# Altium PCB Carrier_Board.PcbDoc (part 2 of 2)
Units mm, origin at the board's own origin, x right, y up, seen from the top; angles counter-clockwise.
Board outline 80 x 90 mm, 2 copper layers (Top Layer, Bottom Layer); 131 components, 109 nets, 507 pads, 240 vias.
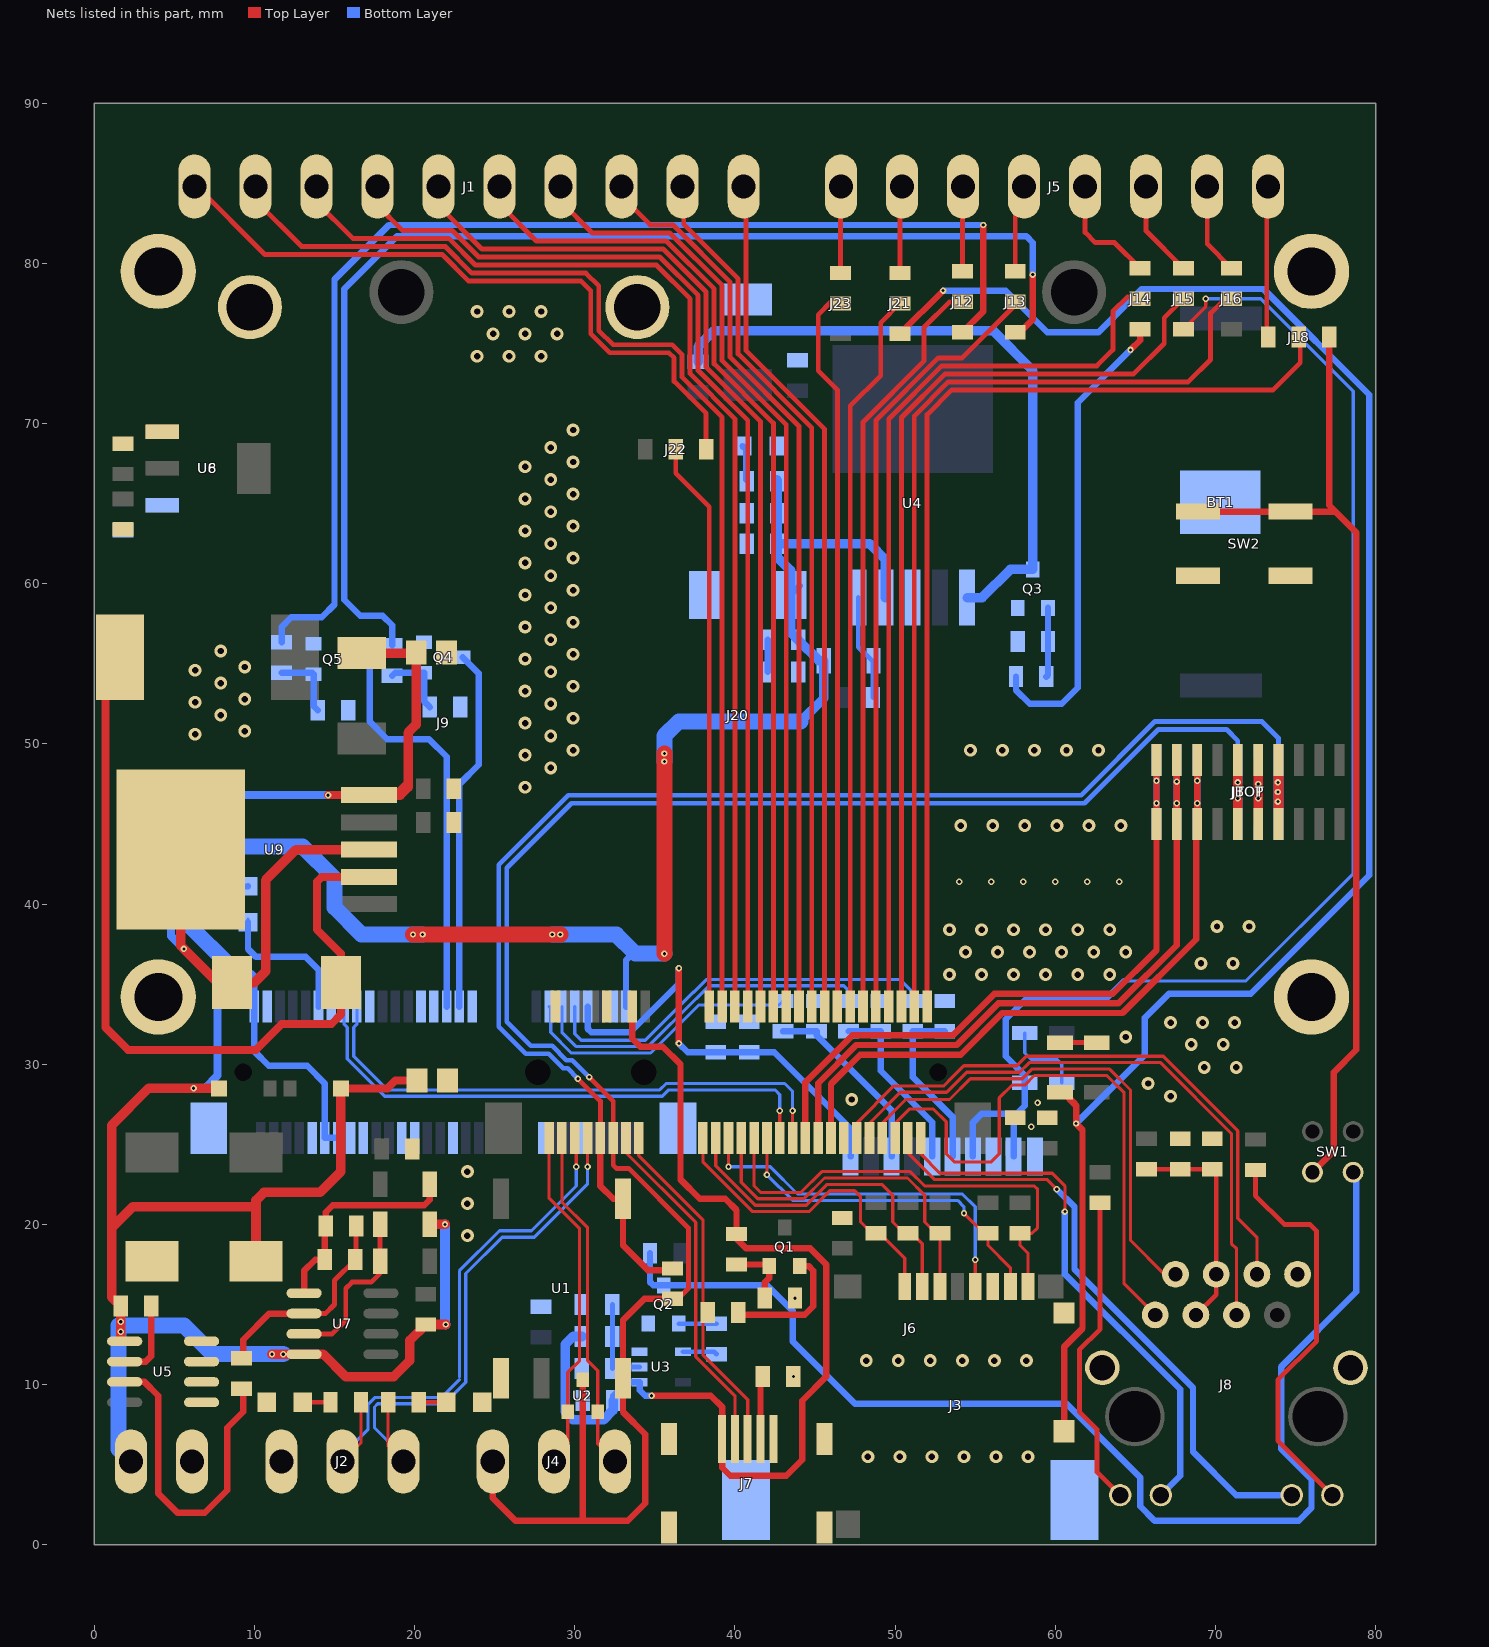
[diagram p2: the nets of this part, all layers, seen from the top]

## Via types
v1: diameter 0.8, hole 0.4, Top Layer to Bottom Layer, tented both sides, 137 vias
v2: diameter 0.4, hole 0.2, Top Layer to Bottom Layer, tented both sides, 102 vias
v3: diameter 0.4, hole 0.2, Top Layer to Bottom Layer, 1 vias

## Nets (pads, with @x,y where several pads share a name; then routed paths per layer and width w, separated by ;. In a path a pad name is that pad's centre, name@x,y a point inside that pad or via, vN(x,y) a via of type N, cw(c..) or ccw(c..) an arc to the next point about the centre after c; other vN are vias at no path point) (continued)
ETH0_ACTLED: J8.D6 J20.49 | length 38.4
  Top Layer w0.2: J20.49@50.8,25.4 50.8,24.476 52.476,22.8 59.5,22.8 v2(60.1,22.2)
  Bottom Layer w0.4: v2(60.1,22.2) 61.2,21.1 61.2,17.2 68.6,9.8 68.6,5.8 71.302,3.098 J8.D6@74.763,3.098
ETH0_LINKLED: J8.D5 J20.51 | length 33.6
  Top Layer w0.2: J20.51@51.6,25.4 51.6,24.4 52.8,23.2 59.807,23.2 60.6,22.407 v2(60.6,20.8)
  Bottom Layer w0.4: v2(60.6,20.8) 60.6,16.9 67.8,9.7 67.8,4.305 J8.D5@66.593,3.098
ETHER0RD_N: J8.2 J20.45 | length 31.4
  Top Layer w0.2: J20.45@49.2,25.4 49.2,26.324 50.676,27.8 53.4,27.8 54.7,29.1 57.934,29.1 58.534,29.7 63.39,29.7 64.7,28.39 64.7,19 66.81,16.89 J8.2@67.51,16.89
ETHER0RD_P: J8.1 J20.47 | length 37.5
  Top Layer w0.2: J20.47@50,25.4 50,26.324 50.876,27.2 52.4,27.2 53.2,26.4 53.2,24.4 53.7,23.9 56,23.9 56.5,24.4 56.5,27.9 57.3,28.7 58.1,28.7 58.7,29.3 63.224,29.3 64.3,28.224 64.3,16.29 J8.1@66.24,14.35
ETHER0TD_N: J8.5 J20.43 | length 38.4
  Top Layer w0.2: J20.43@48.4,25.4 48.4,26.324 50.326,28.25 53.218,28.25 54.468,29.5 57.769,29.5 58.369,30.1 66.574,30.1 71,25.674 71,18.8 71.32,18.48 J8.5@71.32,14.35
ETHER0TD_P: J8.6 J20.41 | length 37.8
  Top Layer w0.2: J20.41@47.6,25.4 47.6,26.324 49.926,28.65 53.052,28.65 53.55,29.148 53.55,29.15 54.3,29.9 57.6,29.9 58.2,30.5 66.74,30.5 71.4,25.84 71.4,20.39 72.59,19.2 J8.6@72.59,16.89
GND: BT1.3 C1.1 C2.1 C3.2 C5.2 C6.2 C7.1 C8.1 C9.1 C10.2 C11.2 C12.1 C13.1 C14.1 C15.2 C16.2 C17.2 C21.1 C23.1 C25.1 C26.1 C28.1 C29.1 D1.1 D6.1 D7.1 FB1.1 FB3.2 FB4.2 J2.3 J3.6 J3.9 J6.8 J6.23 J6.32 J6.33 J7.5 J7.S1 J7.S2 J7.S3 J7.S4 J8.8 J8.SHLD1 J8.SHLD2 J9.4 J9.9 J9.15 J9.18 J9.21 J9.26 J9.27 J9.29 J9.34 J9.35 J9.37 J9.40 J9.43 J9.50 J9.MP1 J9.MP2 J9.MP3 J9.MP4 J20.2 J20.10 J20.39 JBOT.5 JBOT.15 JTOP.5 JTOP.15 pad.3 Q2.2 Q3.2 Q4.2 Q5.2 R12.2 R14.2 R19.2 R20.2 R27.1 R30.1 R36.1 R38.1 SW2.1 SW2.2 U1.1 U3.3 U4.3 U6.1 U8.1 | length 8
  Top Layer w0.6: JTOP.15@72.67,45 v2(72.67,46.6) v2(72.67,47.5) JTOP.5@72.67,49
  Bottom Layer w0.3: JBOT.5@72.67,45 v2(72.67,46.6) v2(72.67,47.5) JBOT.15@72.67,49
  other v1: 48.3,5.5 50.3,5.5 52.3,5.5 54.3,5.5 56.3,5.5 58.3,5.5 48.2,11.5 50.2,11.5 52.2,11.5 54.2,11.5 56.2,11.5 58.2,11.5 23.3,19.3 23.3,21.3 23.3,23.3 47.3,27.8 67.2,28 65.8,28.8 69.3,29.8 71.3,29.8 68.486,31.242 70.486,31.242 64.4,31.7 67.2,32.6 69.2,32.6 71.2,32.6 53.4,35.6 55.4,35.6 57.4,35.6 59.4,35.6 61.4,35.6 63.4,35.6 69.1,36.3 71.1,36.3 54.4,37 56.4,37 58.4,37 60.4,37 62.4,37 64.4,37 53.4,38.4 55.4,38.4 57.4,38.4 59.4,38.4 61.4,38.4 63.4,38.4 70.1,38.6 72.1,38.6 54.1,44.9 56.1,44.9 58.1,44.9 60.1,44.9 62.1,44.9 64.1,44.9 26.9,47.3 28.5,48.5 26.9,49.3 29.9,49.6 54.7,49.6 56.7,49.6 58.7,49.6 60.7,49.6 62.7,49.6 28.5,50.5 6.3,50.6 9.4,50.8 26.9,51.3 29.9,51.6 7.9,51.8 28.5,52.5 6.3,52.6 9.4,52.8 26.9,53.3 29.9,53.6 7.9,53.8 28.5,54.5 6.3,54.6 9.4,54.8 26.9,55.3 29.9,55.6 7.9,55.8 28.5,56.5 26.9,57.3 29.9,57.6 28.5,58.5 26.9,59.3 29.9,59.6 28.5,60.5 26.9,61.3 29.9,61.6 28.5,62.5 26.9,63.3 29.9,63.6 28.5,64.5 26.9,65.3 29.9,65.6 28.5,66.5 26.9,67.3 29.9,67.6 28.5,68.5 29.9,69.6 23.9,74.2 25.9,74.2 27.9,74.2 24.9,75.6 26.9,75.6 28.9,75.6 23.9,77 25.9,77 27.9,77
  other v2: 43.662,10.511 43.752,15.392 58.5,26.1 58.9,27.6 54,41.4 56,41.4 58,41.4 60,41.4 62,41.4 64,41.4
GND0: C4.2 J4.3 J20.11 JBOT.6 JBOT.16 JTOP.6 JTOP.16 U1.4 U2.3 | length 128.8
  Top Layer w0.3: v2(30.9,29.2) 32.4,27.7 J20.11@32.4,25.4 32.4,23.7 32.6,23.5 33.375,23.5 37.1,19.775 37.1,16 36.35,15.25 36.25,15.35 C4.2@36.1,15.35
  Top Layer w0.4: J4.3@24.88,5.2 24.88,2.92 26.3,1.5 30.6,1.5 ; U2.3@30.5,10.303 30.5,1.6 30.6,1.5 ; C4.2@36.1,15.35 34.35,15.35 33.01,14.01 U1.4@33.01,10.4 33.01,8.29 34.4,6.9 34.4,2.6 33.3,1.5 30.6,1.5
  Top Layer w0.6: JTOP.16@71.4,45 v2(71.4,46.6) v2(71.4,47.6) JTOP.6@71.4,49
  Bottom Layer w0.3: v2(30.9,29.2) 29.85,30.25 29.482,30.25 28.582,31.15 27.25,31.15 25.75,32.65 25.75,42.252 29.798,46.3 61.825,46.3 66.425,50.9 70.7,50.9 71.4,50.2 JBOT.16@71.4,49
  Bottom Layer w0.6: JBOT.6@71.4,45 v2(71.4,46.6) ; v2(71.4,47.6) JBOT.16@71.4,49
GSM_LED_WWAN: D2.1 J9.42 | length 9.1
  Bottom Layer w0.2: D2.1@9.6,38.875 D2.1@9.6,39.075
  Bottom Layer w0.4: D2.1@9.6,38.875 9.6,37.2 10.1,36.7 13.2,36.7 14,35.9 J9.42@14,33.6
GSM_N: J9.36 J20.31 | length 34.7
  Top Layer w0.2: J20.31@43.6,25.4 v2@43.6,27
  Bottom Layer w0.2: J9.36@16.4,33.6 16.4,32.5 16.2,32.3 16.2,30.5 18.3,28.4 35.3,28.4 35.7,28.8 43.1,28.8 43.6,28.3 v2(43.6,27.1) v2@43.6,27
GSM_P: J9.38 J20.29 | length 34.3
  Top Layer w0.2: J20.29@42.8,25.4 42.8,26.5 v2(42.8,27.1)
  Bottom Layer w0.2: J9.38@15.6,33.6 15.6,32.5 15.8,32.3 15.8,30.334 18.134,28 35.466,28 35.866,28.4 42.5,28.4 42.8,28.1 v2(42.8,27.1)
GSM_PWR: C11.1 C12.2 C13.2 J9.2 J9.39 J9.41 J9.52 R23.2 R24.2 R25.2 R34.1 U4.4 | length 113.7
  Top Layer w1: v2(19.9,38.1) v2(29.1,38.1) ; v2(35.6,36.9) v2(35.6,49.4)
  Bottom Layer w0.4: 6,39.2 R34.1@7.8,39.2 ; 8.6,36.2 8.8,36 9.5,36 10,35.5 J9.52@10,33.6 10,30.8 10.9,29.9 13.3,29.9 14.4,28.8 J9.41@14.4,25.4 J9.39@15.2,25.4 ; J9.2@33.2,33.6 33.2,36.5 33.7,37 ; C11.1@43.467,59.3 C11.1@44.05,59.883
  Bottom Layer w0.6: 44.1,51.4 45.55,52.85 R23.2@45.55,55.2 45.25,55.2 R24.2@43.95,56.5 43.467,56.983 C11.1@43.467,59.3 43.467,60.833 42.65,61.65 C12.2@42.65,62.5 ; U4.4@49.4,59.134 49.4,61.5 48.4,62.5 C12.2@42.65,62.5 ; C12.2@42.65,62.5 R25.2@42.65,66.4 ; R25.2@42.65,66.4 42.65,66.45 42.6,66.5 42.6,66.45 R25.2@42.65,66.4
  Bottom Layer w1: 8.6,36.2 8.4,36.2 6,38.6 6,39.2 6,41.6 8,43.6 13,43.6 15,41.6 15,39.8 16.7,38.1 v2(20.5,38.1) ; v2(28.6,38.1) 32.6,38.1 33.7,37 33.8,36.9 v2(35.6,36.9) ; v2(35.6,48.9) 35.6,50.5 36.5,51.4 44.1,51.4
GSM_RST: J9.22 Q5.3 | length 26
  Bottom Layer w0.4: Q5.3@16.1,55.3 16.7,55.3 17.2,54.8 17.2,51.4 18.3,50.3 20.9,50.3 22,49.2 J9.22@22,33.6
GSM_SIM_CLK: C16.1 J6.3 R32.2 | length 11.1
  Bottom Layer w0.4: R32.2@47.1,32.05 C16.1@49.1,32.05 49.1,29.6 52.32,26.38 J6.3@52.32,24.24
GSM_SIM_DATA: C15.1 J6.7 R31.2 | length 10.9
  Bottom Layer w0.2: C15.1@53.1,32.05 C15.1@53.2,32.05
  Bottom Layer w0.4: C15.1@53.1,32.05 R31.2@51.1,32.05 51.1,29.2 53.59,26.71 J6.7@53.59,24.24
GSM_SIM_PWR: C5.1 C6.1 J6.1 J9.8 | length 28.8
  Top Layer w0.4: v2(36.5,31.3) v2(36.5,36)
  Bottom Layer w0.4: J9.8@30.8,33.6 30.8,32.234 31.034,32 33.466,32 36.5,35.034 v2(36.5,36) ; v2(36.5,31.3) 37.05,30.75 C6.1@38.8,30.75 C5.1@40.9,30.75 42.45,30.75 47.23,25.97 J6.1@47.23,24.241
GSM_SIM_RST: C17.1 J6.2 R33.2 | length 13.9
  Bottom Layer w0.2: R33.2@43,32.05 C17.1@45.1,32.05
  Bottom Layer w0.4: R33.2@43,32.05 C17.1@45.1,32.05 45.1,31.8 49.78,27.12 J6.2@49.78,24.24
"I/O 1": J1.1 J22.3 | length 42.4
  Top Layer w0.3: J1.1@6.328,84.872 10.643,80.557 21.714,80.557 23.372,78.9 27.7,78.9 30.4,78.9 31,78.3 31,75.6 32.183,74.417 35.883,74.417 36.2,74.1 36.2,72.636 38.2,70.636 J22.3@38.2,68.4
"I/O 2": J1.2 J20.20 | length 74.9
  Top Layer w0.3: J1.2@10.065,84.8 10.065,83.935 12.943,81.057 21.921,81.057 23.579,79.4 27.907,79.4 30.7,79.4 31.5,78.6 31.5,75.807 32.39,74.917 36.09,74.917 36.7,74.307 36.7,72.9 39.2,70.4 J20.20@39.2,33.6
"I/O 3": J1.3 J20.22 | length 72.2
  Top Layer w0.3: J1.3@13.875,84.8 13.875,83.825 16.143,81.557 22.128,81.557 23.786,79.9 35.1,79.9 37.2,77.8 37.2,73.107 40,70.307 J20.22@40,33.6
"I/O 4": J1.4 J20.24 | length 69.2
  Top Layer w0.3: J1.4@17.685,84.8 17.685,83.615 19.243,82.057 22.335,82.057 23.993,80.4 35.307,80.4 37.7,78.007 37.7,73.314 40.8,70.214 J20.24@40.8,33.6
"I/O 5": J1.5 J20.26 | length 66.2
  Top Layer w0.3: J1.5@21.495,84.8 21.495,83.605 24.2,80.9 35.514,80.9 38.2,78.214 38.2,73.521 41.6,70.121 J20.26@41.6,33.6
"I/O 6": J1.6 J20.28 | length 63.4
  Top Layer w0.3: J1.6@25.5,85.2 25.5,83.5 27.6,81.4 35.721,81.4 38.7,78.421 38.7,73.728 42.4,70.028 J20.28@42.4,33.6
"I/O 7": J1.7 J20.30 | length 59.9
  Top Layer w0.3: J1.7@29.115,84.8 29.115,83.885 31.1,81.9 35.928,81.9 39.2,78.628 39.2,73.936 43.2,69.936 J20.30@43.2,33.6
"I/O 8": J1.8 J20.32 | length 56.1
  Top Layer w0.3: J1.8@32.825,84.275 34.7,82.4 36.136,82.4 39.7,78.836 39.7,74.143 44,69.843 J20.32@44,33.6
"I/O 9": J1.9 J20.34 | length 54.6
  Top Layer w0.3: J1.9@36.635,84.8 36.8,84.635 36.8,82.443 40.2,79.043 40.2,74.35 44.8,69.75 J20.34@44.8,33.6
"I/O 10": J1.10 J20.36 | length 53
  Top Layer w0.3: J1.10@40.7,84.545 40.7,74.557 45.6,69.657 J20.36@45.6,33.6
"I/O 11": J5.1 J23.3 | length 5.2
  Top Layer w0.3: J23.3@46.6,79.6 J5.1@46.6,84.775
"I/O 12": J5.2 J21.3 | length 5.4
  Top Layer w0.3: J21.3@50.3,79.4 J5.2@50.3,84.8
"I/O 13": J5.3 J12.3 | length 5.3
  Top Layer w0.3: J12.3@54.2,79.5 J5.3@54.2,84.8
"I/O 14": J5.4 J13.3 | length 5.5
  Top Layer w0.3: J13.3@57.5,79.5 57.5,84.245 J5.4@58.055,84.8
"I/O 15": J5.5 J14.3 | length 7.2
  Top Layer w0.3: J5.5@61.865,84.8 61.865,81.935 62.5,81.3 63.7,81.3 J14.3@65.3,79.7
"I/O 16": J5.6 J15.3 | length 6.1
  Top Layer w0.3: J5.6@65.675,84.8 65.675,82.025 J15.3@68,79.7
"I/O 17": J5.7 J16.3 | length 5.7
  Top Layer w0.3: J5.7@69.485,84.8 69.485,81.215 J16.3@71,79.7
"I/O 18": J5.8 J18.3 | length 9.7
  Top Layer w0.3: J5.8@73.34,84.8 73.2,84.66 73.2,75.4 J18.3@73.4,75.2
ISO5V: C4.1 J20.9 JBOT.4 JBOT.14 JTOP.4 JTOP.14 U1.5 | length 94.3
  Top Layer w0.3: v2(30.2,29.1) 31.6,27.7 J20.9@31.6,25.4
  Top Layer w0.4: J20.9@31.6,25.4 31.6,22.4 32.4,21.6 U1.5@33.01,21.6 33.01,18.69 34.55,17.15 36,17.15 C4.1@36.1,17.25
  Top Layer w0.6: JTOP.14@73.94,45 JTOP.4@73.94,49
  Bottom Layer w0.3: v2(30.2,29.1) 29.55,29.75 29.275,29.75 28.375,30.65 26.95,30.65 25.25,32.35 25.25,42.459 29.591,46.8 61.618,46.8 66.218,51.4 72.9,51.4 73.94,50.36 JBOT.14@73.94,49
  Bottom Layer w0.6: JBOT.4@73.94,45 73.94,46.4 73.94,47 73.94,47.6 JBOT.14@73.94,49
  other v2: 73.9,46.4 73.9,47 73.9,47.6
MMC_CD0: J3.10 J21.1 R7.1 | length 114.7
  Top Layer w0.2: R7.1@60.65,28.25 61.3,27.6 61.3,27.425
  Top Layer w0.4: J21.1@50.3,75.6 v2(53,78.3) ; R7.1@60.475,28.25 61.3,27.425 v2(61.3,26.3) 61.7,25.9 61.7,13.5 60.55,12.35 J3.10@60.55,7.075
  Bottom Layer w0.4: v2(53,78.3) 56.9,78.3 59.5,75.7 62.7,75.7 65.4,78.4 73,78.4 79.6,71.8 79.6,41.8 72.2,34.4 67.1,34.4 65.6,32.9 65.6,30.6 v2(61.3,26.3)
MPU_POWER_ON/OFF: J14.1 R29.1 | length 29.5
  Top Layer w0.4: v2(64.7,74.6) 65.3,75.2 J14.1@65.3,75.9
  Bottom Layer w0.4: R29.1@57.55,54.2 57.55,53.35 58.4,52.5 60.4,52.5 61.4,53.5 61.4,71.3 v2(64.7,74.6)
NetC7_2: C7.2 R20.1 R22.1 U3.2 | length 5.7
  Bottom Layer w0.3: C7.2@32.35,15 R22.1@32.35,13 R20.1@32.35,11 32.45,11.1 U3.2@34.05,11.1
NetC8_2: C8.2 C9.2 J8.3 J8.4 L1.1 | length 13.8
  Top Layer w0.3: L1.1@65.7,23.45 C9.2@67.8,23.45 C8.2@69.8,23.45 70.05,23.2 J8.4@70.05,16.89 70.05,15.62 J8.3@68.78,14.35
NetC20_1: C20.1 U5.6 | length 4.9
  Top Layer w0.4: U5.6@1.9,11.435 3.204,11.435 3.55,11.781 C20.1@3.55,14.9
NetC24_1: C24.1 R39.1 R41.2 U7.2 | length 13.2
  Top Layer w0.3: U7.2@13.1,14.435 14.435,14.435 15,15 15,16.5 R41.2@16.3,17.8 16.35,17.85 C24.1@16.35,19.9
  Top Layer w0.4: R39.1@9.3,11.65 9.3,12.8 10.935,14.435 U7.2@13.1,14.435
NetC24_2: C24.2 R40.1 R41.1 U7.1 | length 13.7
  Top Layer w0.4: U7.1@13.1,15.705 13.1,17.1 13.8,17.8 R41.1@14.4,17.8 14.4,19.85 C24.2@14.45,19.9 14.45,20.75 14.9,21.2 20.6,21.2 20.95,21.55 R40.1@20.95,22.5
NetD1_2: D1.2 R25.1 | length 2.2
  Bottom Layer w0.4: D1.2@40.475,68.6 40.7,68.375 R25.1@40.7,66.5
NetD2_2: D2.2 R34.2 | length 1.8
  Bottom Layer w0.4: R34.2@7.8,41.1 9.575,41.1 D2.2@9.6,41.125
NetD3_2: D3.2 U5.3 U5.4
NetD5_1: D5.1 L2.1 U9.2 | length 51.4
  Top Layer w0.5: L2.1@1.903,54.7 0.7,53.498 0.7,32.3 2.1,30.9 10.097,30.9 11.697,32.5 14.8,32.5 15.4,33.1 D5.1@15.4,35.1 15.4,36.9 13.9,38.4 13.9,41.4 14.2,41.7 U9.2@17.166,41.7
NetD6_2: D6.2 R11.2 | length 1.7
  Top Layer w0.3: R11.2@20.248,8.898 D6.2@21.973,8.898
NetD7_2: D7.2 R13.2 | length 1.7
  Top Layer w0.3: D7.2@13.025,8.9 R13.2@14.751,8.9
NetJ7_4: J7.4 R14.1 | length 3.5
  Top Layer w0.4: J7.4@41.6,6.6 41.6,10 R14.1@41.7,10.1
NetJ8_D2: J8.D2 R17.1 | length 19.8
  Top Layer w0.3: R17.1@62.8,21.35 62.8,13.464 61.509,12.172 61.509,8.291 62.6,7.2 62.6,4.551 J8.D2@64.053,3.098
NetJ8_D4: J8.D4 R16.2 | length 25.2
  Top Layer w0.3: R16.2@72.5,23.4 72.5,21.8 74.3,20 75.9,20 76.318,19.582 76.318,12.718 73.9,10.3 73.9,6.501 J8.D4@77.303,3.098
NetJ9_10: J9.10 R31.1 | length 25.4
  Bottom Layer w0.2: J9.10@30,33.6 30,31.9 30.4,31.5 34.404,31.5 37.404,34.5 37.431,34.5 38.231,35.3 50.3,35.3 51.1,34.5 R31.1@51.1,33.95
NetJ9_12: J9.12 R32.1 | length 22.2
  Bottom Layer w0.2: J9.12@29.2,33.6 29.2,32 30.1,31.1 34.57,31.1 37.57,34.1 37.597,34.1 38.397,34.9 46.8,34.9 47.1,34.6 R32.1@47.1,33.95
NetJ9_14: J9.14 R33.1 | length 18
  Bottom Layer w0.2: J9.14@28.4,33.6 28.5,33.5 28.5,31.986 29.786,30.7 34.736,30.7 37.736,33.7 42.75,33.7 R33.1@43,33.95
NetJ12_2: J12.2 J20.42 | length 47
  Top Layer w0.3: J20.42@48,33.6 48,70.1 51.8,73.9 51.8,76 53.4,77.6 J12.2@54.2,77.6
NetJ13_2: J13.2 J20.44 | length 48.5
  Top Layer w0.3: J20.44@48.8,33.6 48.8,70.193 52.707,74.1 54.195,74.1 57.5,77.405 J13.2@57.5,77.6
NetJ14_2: J14.2 J20.46 | length 56.9
  Top Layer w0.3: J20.46@49.6,33.6 49.6,70.286 52.914,73.6 62.6,73.6 63.6,74.6 63.6,77 64.5,77.9 J14.2@65.3,77.9
NetJ15_2: J15.2 J20.48 | length 58.4
  Top Layer w0.3: J20.48@50.4,33.6 50.4,70.379 53.121,73.1 64.9,73.1 66.8,75 66.8,76.6 J15.2@68,77.8
NetJ16_2: J16.2 J20.50 | length 61.4
  Top Layer w0.3: J20.50@51.2,33.6 51.2,70.472 53.328,72.6 68.3,72.6 69.7,74 69.7,76.9 70.6,77.8 J16.2@71,77.8
NetJ18_1: J18.1@6.1,5.2 U5.1 U5.2
NetJ18_2: J18.2@75.2,75.4 J20.52 | length 63.2
  Top Layer w0.3: J20.52@52,33.6 52,70.564 53.536,72.1 73.6,72.1 75.3,73.8 J18.2@75.3,75.4
NetJ20_18: J20.18 J22.2 | length 35.7
  Top Layer w0.3: J22.2@36.3,68.4 36.3,66.9 38.4,64.8 J20.18@38.4,33.6
NetJ20_38: J20.38 J23.2 | length 45.3
  Top Layer w0.3: J20.38@46.4,33.6 46.4,72.1 45.2,73.3 45.2,76.8 46,77.6 J23.2@46.5,77.6
NetJ20_40: J20.40 J21.2 | length 45.3
  Top Layer w0.3: J20.40@47.2,33.6 47.2,71.1 49.1,73 49.1,76.3 J21.2@50.3,77.5 ; J21.2@50.2,77.6 J21.2@50.3,77.7
NetQ1_1: Q1.1 R10.1 R12.1 | length 4.2
  Top Layer w0.4: R10.1@40.1,17.5 42.05,17.5 Q1.1@42.15,17.4 42.15,16.65 41.85,16.35 R12.1@41.85,15.4
NetQ1_2: Q1.2 R15.2 | length 8.3
  Top Layer w0.4: R15.2@40.2,14.5 40.2,14.35 43.134,14.35 44.366,14.35 44.9,14.884 44.9,17.1 44.6,17.4 Q1.2@44.05,17.4
NetQ2_1: Q2.1 R21.1 | length 2.4
  Bottom Layer w0.3: Q2.1@36.5,13.8 R21.1@38.85,13.8
NetQ2_3: Q2.3 R18.1 SW1.1 | length 75.5
  Bottom Layer w0.4: R18.1@34.7,18.2 34.7,16.4 34.9,16.2 Q2.3@35.55,16.2 42,16.2 43.6,14.6 43.6,12.7 47.5,8.8 60.7,8.8 65.3,4.2 65.3,2.4 66.2,1.5 75.2,1.5 76,2.3 76,4.1 74.1,6 74.1,11.1 78.8,15.8 78.8,23.06 SW1.1@78.6,23.26
NetQ3_1: Q3.1 R29.2 R30.2 | length 4.3
  Bottom Layer w0.4: R29.2@59.45,54.2 59.55,54.3 Q3.1@59.55,58.5
NetQ3_3: Q3.3 R26.2 U4.1 | length 40.5
  Bottom Layer w0.6: R26.2@37.7,73.85 37.7,74.8 38.7,75.8 56.1,75.8 58.6,73.3 Q3.3@58.6,60.9 57.2,60.9 55.434,59.134 U4.1@54.5,59.134
NetQ4_1: Q4.1 R35.1 R36.2 | length 4.4
  Bottom Layer w0.4: R35.1@18.6,54.25 18.8,54.45 Q4.1@20.6,54.45 20.6,52.65 R36.2@20.95,52.3
NetQ5_1: Q5.1 R37.1 R38.2 | length 4.4
  Bottom Layer w0.4: R37.1@11.7,54.45 13.6,54.45 Q5.1@13.7,54.35 13.7,52.35 R38.2@13.95,52.1
NetR6_1: R6.1 R7.2 | length 2.3
  Top Layer w0.3: R7.2@60.3,31.35 R6.1@62.6,31.35
NetR8_2: R8.2 R9.1 | length 5
  Bottom Layer w0.2: R8.2@58.1,31.95 58.1,30.7 58.5,30.3 60.1,30.3 60.4,30 R9.1@60.4,28.85
NetR21_2: R21.2 U3.4 | length 2.2
  Bottom Layer w0.3: U3.4@36.75,12.05 38.7,12.05 R21.2@38.85,11.9
NetR23_1: R23.1 R28.1 U4.5 | length 6.6
  Bottom Layer w0.3: U4.5@47.7,59.134 47.7,56.05 48.6,55.15 R28.1@48.6,52.9
NetR24_1: R24.1 R27.2 | length 2
  Bottom Layer w0.4: R27.2@42.05,54.5 R24.1@42.05,56.5
NetR39_2: R39.2 U5.7 | length 20.7
  Top Layer w0.4: U5.7@1.9,10.165 3.135,10.165 4,9.3 4,3.2 5.2,2 6.9,2 8.3,3.4 8.3,7.3 9.3,8.3 R39.2@9.3,9.75
NetR42_2: R42.2 R43.1 U7.3 | length 10.5
  Top Layer w0.3: U7.3@13.1,13.165 14.865,13.165 15.7,14 15.7,16 16.1,16.4 17.3,16.4 17.85,16.95 R42.2@17.85,17.7 R43.1@17.85,20
PCI_PIN_AUTO: J18.1@77.1,75.4 SW1.2 SW2.3 SW2.4 | length 62.6
  Top Layer w0.4: SW2.4@68.925,64.5 SW2.3@74.675,64.5 77.5,64.5 ; SW1.2@76.06,23.26 77.4,24.6 77.4,29.5 78.8,30.9 78.8,63.2 77.5,64.5 ; J18.1@77.1,75.4 77.1,64.9 77.5,64.5
PCI_RS232_RIN: J2.2 J20.5 R13.1 | length 33.9
  Top Layer w0.2: J2.2@15.49,5.2 16.652,6.362 R13.1@16.652,8.902 ; J20.5@30,25.4 30.1,25.3 v2(30.1,23.6)
  Bottom Layer w0.2: J2.2@15.49,5.2 15.49,5.59 17.1,7.2 17.1,8.766 17.534,9.2 19.7,9.2 21.7,9.2 22.8,10.3 ; 22.8,10.466 22.8,17.1 25.3,19.6 27.3,19.6 30.1,22.4 v2(30.1,23.6)
PCI_RS232_TOUT: J2.1 J20.7 R11.1 | length 34.3
  Top Layer w0.2: R11.1@18.348,8.898 18.348,6.152 J2.1@19.3,5.2 ; v2(30.8,23.6) J20.7@30.8,25.4
  Bottom Layer w0.2: J2.1@19.3,5.2 19.3,5.5 17.5,7.3 17.5,8.6 17.7,8.8 21.7,8.8 ; v2(30.8,23.6) 30.8,22.534 27.466,19.2 25.466,19.2 23.2,16.934 23.2,10.134 21.866,8.8 ; 21.7,8.8 21.866,8.8 ; 21.7,8.8 21.866,8.8
PCI_RS485_USART3_A: J4.2 J20.1 U2.1 | length 21.4
  Top Layer w0.2: J20.1@28.4,25.4 28.4,21.634 30.3,19.734 30.3,11.5 29.56,10.76 U2.1@29.56,8.297 29.56,6.297 J4.2@28.69,5.427
PCI_RS485_USART3_B: J4.1 J20.3 U2.2 | length 21.5
  Top Layer w0.2: J20.3@29.2,25.4 29.2,21.4 30.8,19.8 30.8,11.5 31.44,10.86 U2.2@31.44,8.297 31.44,6.297 J4.1@32.5,5.237
PGND: C18.2 C19.2 C20.2 C22.1 C27.2 D4.2 D5.2 FB3.1 FB4.1 J18.2@2.29,5.2 R43.2 U5.5 U7.4 U9.3 U9.5 U9.6 | length 162.7
  Top Layer w0.5: v2(14.6,46.8) U9.5@17.166,46.8 ; C19.2@15.397,28.5 18.3,28.5 18.8,29 FB4.1@20.15,29
  Top Layer w0.6: U5.5@1.9,12.705 1.65,12.955 C20.2@1.65,14.9 1.1,15.45 1.1,19.8 ; U9.6@5.4,43.4 5.4,37.4 v2(5.6,37.2) 7.7,35.1 D5.2@8.6,35.1 10,35.1 10.7,35.8 10.7,41.5 12.6,43.4 U9.3@17.166,43.4 ; C18.2@7.803,28.5 v2(6.2,28.5) 3.4,28.5 1.1,26.2 1.1,19.8 ; D4.2@10.1,17.7 10.1,21.1 ; v2(11.1,11.9) 11.105,11.895 U7.4@13.1,11.895 14.305,11.895 15.7,10.5 18.7,10.5 19.7,11.5 19.7,12.75 C22.1@20.7,13.75 v2(21.95,13.75) ; C19.2@15.397,28.5 15.397,23.297 14.1,22 10.6,22 10.1,21.5 10.1,21.1 ; C27.2@16.7,55.667 20.067,55.667 FB3.1@20.1,55.7 20.1,51.2 19.6,50.7 19.6,47.5 ; R43.2@20.95,20 v2(21.9,20) ; 1.1,19.8 2.4,21.1 10.1,21.1 ; 19.6,47.5 18.9,46.8 19.1,46.8 19.6,47.3 19.6,47.5
  Bottom Layer w0.5: v2(6.2,28.5) 6.9,28.5 7.7,29.3 7.7,35.1 v2(5.6,37.2) 4.8,38 4.8,44.7 6.9,46.8 v2(14.6,46.8)
  Bottom Layer w0.6: v2(21.9,20) 21.9,13.8 v2(21.95,13.75)
  Bottom Layer w1: J18.2@2.29,5.2 1.5,5.99 1.5,13.7 5.6,13.7 7.4,11.9 v2(11.8,11.9)
  other v2: 1.65,13.3 1.65,13.928
"RESERVED FOR C20_1": J9.24
SIMCARD_DETECT: J6.4 J6.22 J15.1 R8.1 | length 84.2
  Top Layer w0.2: J15.1@68,75.9 69.4,77.3 v2(69.4,77.8)
  Bottom Layer w0.2: J6.4@54.86,24.24 J6.4@54.9,24.28 ; 64.3,35.2 71.9,35.2 78.6,41.9 78.6,72.024 72.824,77.8 v2(69.4,77.8)
  Bottom Layer w0.4: J6.4@54.86,24.24 54.86,26.36 55.4,26.9 57.6,26.9 ; J6.22@57.4,24.24 57.4,26.7 57.6,26.9 ; 64.3,35.2 63.1,34 58.1,34 56.9,32.8 56.9,30.5 58.1,29.3 R8.1@58.1,28.85 58.1,27.4 57.6,26.9
SPI1_MISO: J20.35 JBOT.9 JBOT.19 JTOP.9 JTOP.19 | length 44.9
  Top Layer w0.4: J20.35@45.2,25.4 45.2,28.817 47.583,31.2 53.851,31.2 56.451,33.8 63.951,33.8 67.59,37.439 JTOP.19@67.59,45 v2(67.59,47.65) JTOP.9@67.59,49
  Bottom Layer w0.4: JBOT.9@67.59,45 v2(67.59,46.3) v2(67.59,47.65) JBOT.19@67.59,49
SPI1_MOSI: J20.37 JBOT.8 JBOT.18 JTOP.8 JTOP.18 | length 45.2
  Top Layer w0.4: J20.37@46,25.4 46,28.769 47.831,30.6 54.1,30.6 56.7,33.2 64.2,33.2 68.8,37.8 68.8,45 JTOP.18@68.86,45 v2(68.86,47.7) JTOP.8@68.86,49
  Bottom Layer w0.4: JBOT.8@68.86,45 v2(68.86,47.7) JBOT.18@68.86,49
  other v2: 68.86,46.3
SPI1_SCK: J20.33 JBOT.10 JBOT.20 JTOP.10 JTOP.20 | length 44.6
  Top Layer w0.4: J20.33@44.4,25.4 44.4,28.866 47.334,31.8 53.603,31.8 56.203,34.4 63.6,34.4 66.32,37.12 JTOP.20@66.32,45 v2(66.32,46.3) v2(66.32,47.7) JTOP.10@66.32,48.88
  Bottom Layer w0.4: JBOT.10@66.32,45 v2(66.32,47.7) JBOT.20@66.32,49
STM32F4_MMC0_CLK: J3.5 J20.21 | length 23.2
  Top Layer w0.2: v2(39.6,23.6) J20.21@39.6,25.4 ; J3.5@55,16.125 v2(55,17.8)
  Bottom Layer w0.2: v2(39.6,23.6) 42.207,23.6 43.907,21.9 54.2,21.9 55,21.1 v2(55,17.8)
STM32F4_MMC0_CMD: J3.3 J20.23 R3.1 | length 21.9
  Top Layer w0.2: J20.23@40.4,25.4 40.4,22.634 41.434,21.6 44.294,21.6 45.594,22.9 50.774,22.9 51.85,21.824 51.85,20.15 52.55,19.45 R3.1@52.8,19.45 J3.3@52.8,16.125
STM32F4_MMC0_D0: J3.7 J20.27 R4.1 | length 21.8
  Top Layer w0.2: v2(42,23.1) J20.27@42,25.4 ; v2(54.3,20.7) 55.55,19.45 R4.1@55.8,19.45 55.8,18.7 57.2,17.3 J3.7@57.2,16.125
  Bottom Layer w0.2: v2(42,23.1) 43.6,21.5 53.9,21.5 54.3,21.1 v2(54.3,20.7)
STM32F4_MMC0_D1: J3.8 J20.25 R5.1 | length 29.3
  Top Layer w0.2: J20.25@41.2,25.4 41.2,22.4 41.6,22 44.129,22 45.429,23.3 50.94,23.3 51.84,22.4 58.7,22.4 58.9,22.2 58.9,19.8 58.55,19.45 R5.1@57.8,19.45 ; R5.1@57.55,19.45 R5.1@57.8,19.45 ; J3.8@58.3,16.125 58.3,18.2 57.8,18.7 R5.1@57.8,19.45
STM32F4_MMC0_D2: J3.1 J20.17 R1.1 | length 20.4
  Top Layer w0.2: J20.17@38,25.4 38,23.903 41.103,20.8 44.626,20.8 45.926,22.1 47.474,22.1 47.85,21.724 47.85,20.15 48.55,19.45 R1.1@48.8,19.45 49.05,19.45 50.6,17.9 J3.1@50.6,16.125
STM32F4_MMC0_D3: J3.2 J20.19 R2.1 | length 21.4
  Top Layer w0.2: J20.19@38.8,25.4 38.8,23.669 41.269,21.2 44.46,21.2 45.76,22.5 49.174,22.5 49.85,21.824 49.85,20.15 50.55,19.45 R2.1@50.8,19.45 51.05,19.45 51.7,18.8 J3.2@51.7,16.125
U5V_ST: J7.1 J20.14 R10.2 R19.1 R22.2 U3.1 | length 65.4
  Top Layer w0.4: J20.14@33.6,33.6 33.6,31.6 34.1,31.1 35.5,31.1 36.6,30 36.6,22.8 37.8,21.6 39.4,21.6 40.1,20.9 R10.2@40.1,19.4 40.1,19.1 40.7,18.5 44.7,18.5 45.7,17.5 45.7,10.5 44.2,9 44.2,5.3 43.2,4.3 39.7,4.3 39.2,4.8 J7.1@39.2,6.6 39.2,8.6 38.5,9.3 v2(34.8,9.3)
  Bottom Layer w0.4: R19.1@32.4,9 32.4,9.3 33.25,10.15 U3.1@34.05,10.15 34.05,9.65 34.4,9.3 v2(34.8,9.3)
  Bottom Layer w0.6: R22.2@30.45,13 29.9,13 29.4,12.5 29.4,8.293 29.893,7.8 31.8,7.8 32.4,8.4 R19.1@32.4,9
UC20_MCU_RST: J12.1 R37.2 | length 74.3
  Top Layer w0.4: J12.1@54.2,75.7 55.5,77 v2(55.5,82.4)
  Bottom Layer w0.4: R37.2@11.7,56.35 11.7,57.3 12.3,57.9 14.2,57.9 15,58.7 15,79 18.4,82.4 v2(55.5,82.4)
UC20_MCU_START: J13.1 R35.2 | length 75.1
  Top Layer w0.4: J13.1@57.5,75.7 57.8,75.7 58.6,76.5 v2(58.6,79.3)
  Bottom Layer w0.4: R35.2@18.6,56.15 18.6,57.4 18,58 16.6,58 15.6,59 15.6,78.4 18.9,81.7 58.2,81.7 58.6,81.3 v2(58.6,79.3)
USB_1_DM: J7.2 J20.13 | length 21.6
  Top Layer w0.2: J20.13@33.2,25.4 33.2,24.476 37.55,20.126 37.55,11.75 40,9.3 J7.2@40,6.6
USB_1_DP: J7.3 J20.15 R15.1 | length 21.6
  Top Layer w0.2: J20.15@34,25.4 34,24.3 38,20.3 38,11.866 40.8,9.066 J7.3@40.8,6.6
WIRELESS_ON_OFF: J9.20 Q4.3 | length 22.7
  Bottom Layer w0.4: J9.20@22.8,33.6 22.8,47.5 24,48.7 24,54.4 Q4.3@23,55.4
pads on no net: J6.5 J6.6 J8.7 J8.M1 J8.M2 J9.1 J9.3 J9.5 J9.6 J9.7 J9.11 J9.13 J9.16 J9.17 J9.19 J9.23 J9.25 J9.28 J9.30 J9.31 J9.32 J9.33 J9.44 J9.45 J9.46 J9.47 J9.48 J9.49 J9.51 J9.MH1 J9.MH2 J20.MH1 J20.MH2 J20.MP1 J20.MP2 J20.MP3 J20.MP4 JBOT.7 JBOT.17 JTOP.7 JTOP.17 R28.2 SW1.3 SW1.4 U1.8 U4.6 U7.5 U7.6 U7.7
copper on no net:
  other v1: 62.9,53.2 64.5,54.4 62.9,55.2 65.9,55.5 64.5,56.4 62.9,57.2 65.9,57.5 64.5,58.4 62.9,59.2 65.9,59.5 64.5,60.4 62.9,61.2 65.9,61.5 64.5,62.4 62.9,63.2 65.9,63.5 64.5,64.4 62.9,65.2 65.9,65.5 64.5,66.4 62.9,67.2 65.9,67.5 64.5,68.4 62.9,69.2 65.9,69.5 64.5,70.4

## Polygon pours and split planes (outlines as drawn)
GND on Top Layer "GND_L01_P011" (solid, pour order 11): 0,0 0,90 80,90 80,0
24V on Top Layer "Bottom Layer-No Net" (solid, pour order 8): 29.3,32.6 29.3,35.9 30,36.542 30,40 30,40.5 31.5,39 31.5,35.9 31.5,35.3 31.5,35.2 31.5,32.6
NetD3_2 on Top Layer "Bottom Layer-No Net" (solid, pour order 6): 5.6,11.2 5.7,11.1 7.7,11.1 7.8,11.2 7.8,16.6 5.4,19 1.9,19 1.9,16.4 4.4,16.4 4.7,16.1 5.6,15.2
NetJ18_1 on Top Layer "Bottom Layer-No Net" (solid, pour order 4): 5.6,10.4 5.7,10.5 7.7,10.5 7.8,10.4 7.8,9.6 7.8,8.2 7.3,7.7 7.3,4.7 7.3,3.4 7.1,3.2 6.9,3 6.2,3 5.4,3 4.9,3.5 4.9,7.585 5.6,8.386
24V on Top Layer "Bottom Layer-No Net" (solid, pour order 10): 15.4,40.5 15.4,38.8 18.7,38.8 19.4,39.5 19.4,40.5 15.4,40.5
GND on Bottom Layer "GND_L02_P012" (solid, pour order 12): 0,0 0,90 80,90 80,0

## Silkscreen, mask and mechanical layers (free items; w line width, h text height)
Top Overlay:
  lines w0.1: 10.116,8 10.116,10 24.9,10 24.9,8 10.716,8 10.116,8
  text "RS232" at 10,1.1 h0.8
Bottom Overlay:
  lines w0.1: 1.1,37.6 6,37.6 6,43.6 1.1,43.6 1.1,37.6 ; 39.7,65.4 43.8,65.4 43.8,69.6 39.7,69.6 39.7,65.4
  text "GSM Pwr" at 44.3,69.9 h0.8
  text "GSM Led" at 6.1,43.9 h0.8
Mechanical 1:
  lines w0.1: 0,0 80,0 80,90 0,90 0,0
  lines w0.254: -14.508,1.524 -14,0 ; -14.508,88.476 -14,90 ; -14.254,0 -13.746,0 ; -14.254,90 -13.746,90 ; -14,39.896 -14,0 ; -14,50.104 -14,90 ; -13.492,1.524 -14,0 ; -13.492,88.476 -14,90 ; 0.476,102.238 0.476,102.746 ; 2,101.984 0.476,102.492 ; 2,103 0.476,102.492 ; 35.372,102.492 0.476,102.492 ; 45.58,102.492 80.476,102.492 ; 78.952,101.984 80.476,102.492 ; 78.952,103 80.476,102.492 ; 80.476,102.238 80.476,102.746
  text "80 (mm)" at 35.626,101.578 h1.52
  text "90 (mm)" at -13.086,40.15 h1.52 r90

## Text inside footprints (layer, text, board x,y; h text height)
SW2: Top Overlay "1" at 76.207,59.032 h0.79 r90